# Altium PCB PCB1_1.pcbdoc (part 3 of 3)
Units mil, origin at the board's own origin, x right, y up, seen from the top; angles counter-clockwise.
Board outline 12887.67 x 6224.24 mil, 2 copper layers (Top Layer, Bottom Layer); 396 components, 233 nets, 925 pads, 502 vias.
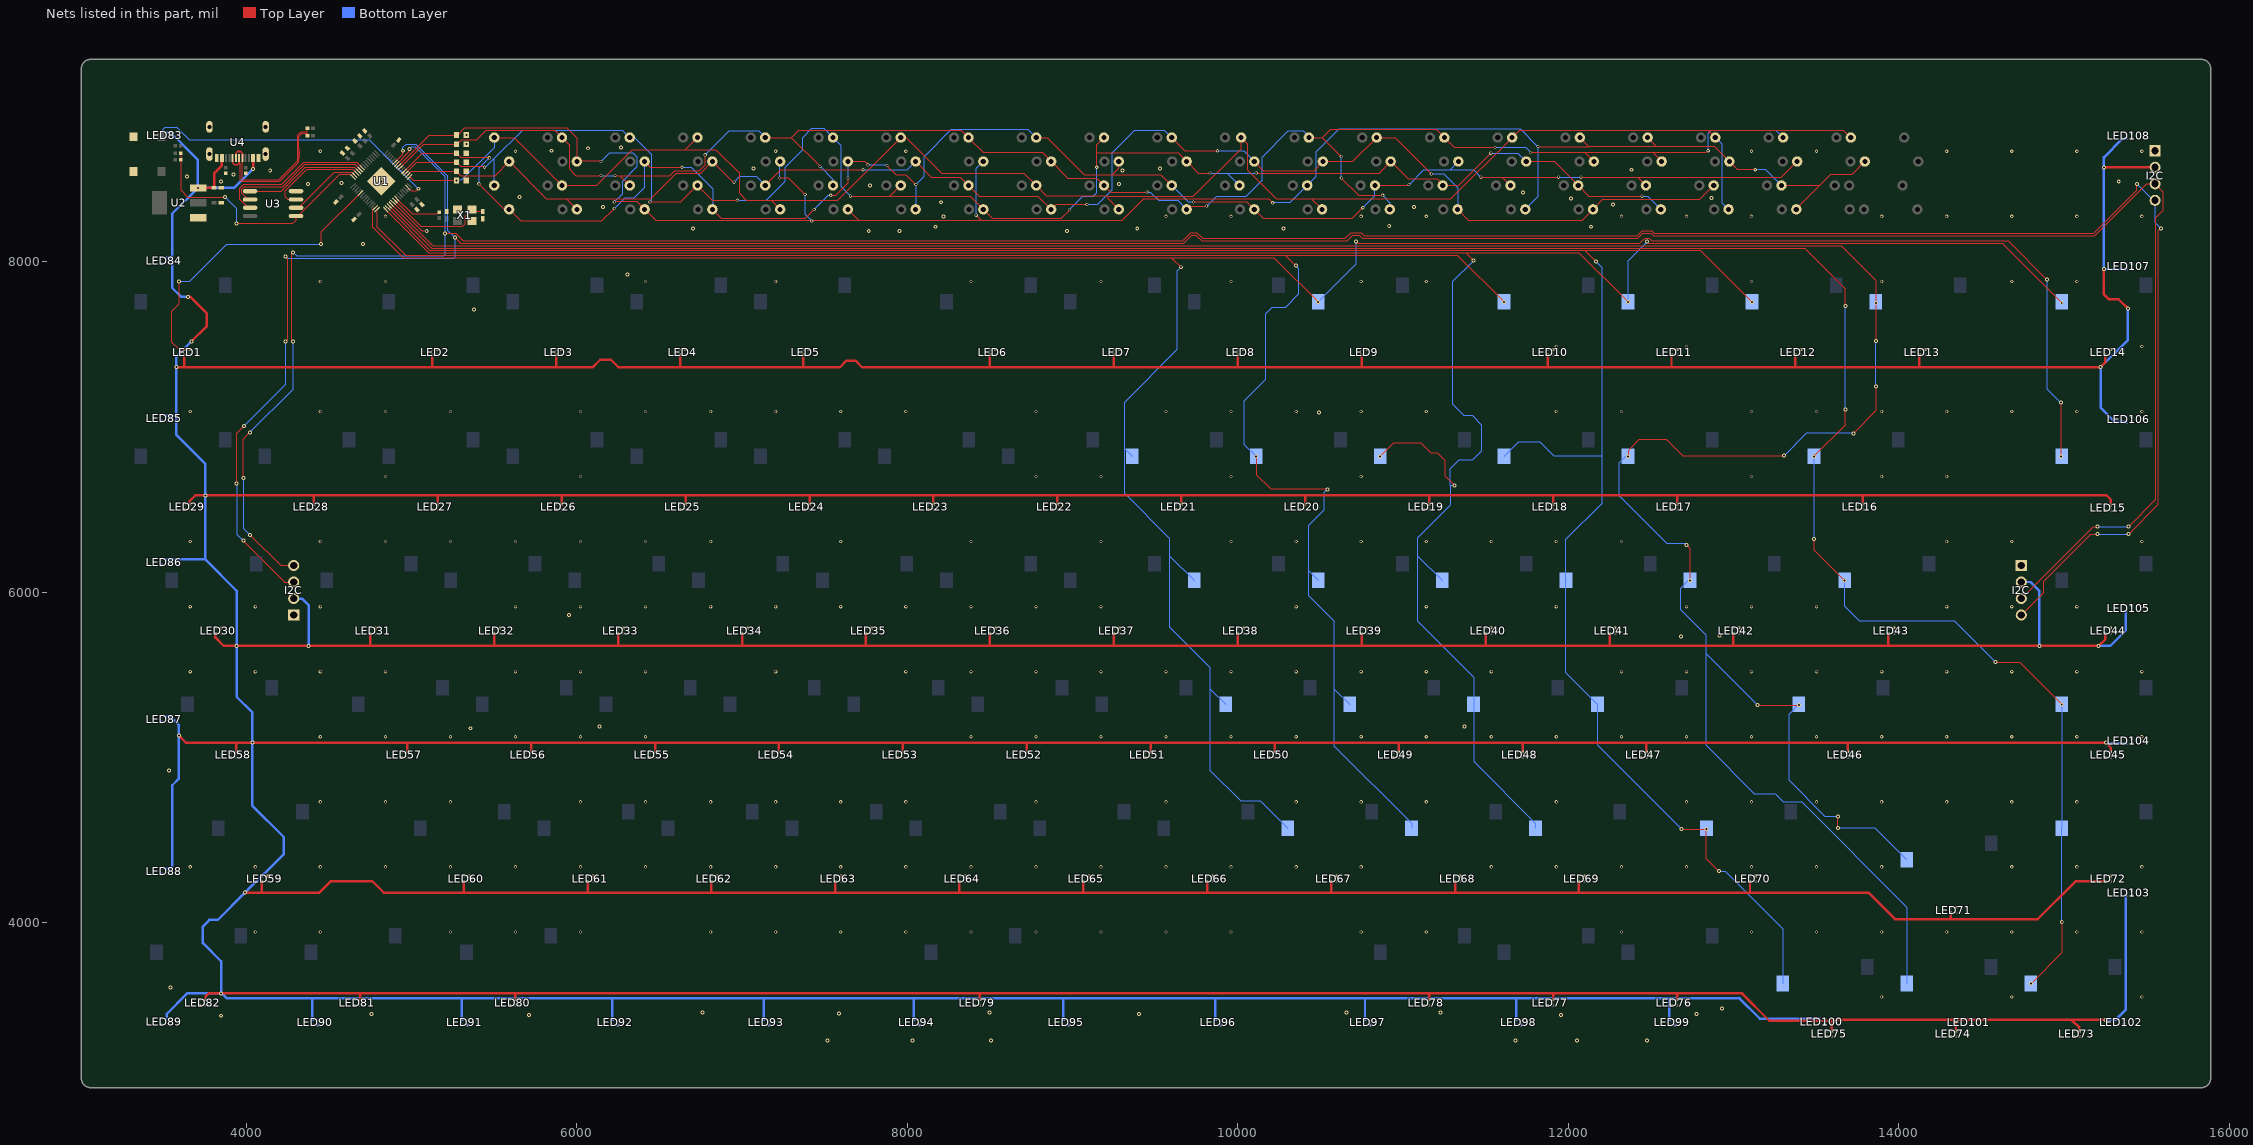
[diagram p3: the nets of this part, all layers, seen from the top]

## Via types
v1: diameter 19.68, hole 11.81, Top Layer to Bottom Layer, 300 vias
v2: diameter 24.02, hole 12.01, Top Layer to Bottom Layer, 202 vias

## Nets (pads, with @x,y where several pads share a name; then routed paths per layer and width w, separated by ;. In a path a pad name is that pad's centre, name@x,y a point inside that pad or via, vN(x,y) a via of type N, cw(c..) or ccw(c..) an arc to the next point about the centre after c; other vN are vias at no path point) (continued)
C9: SW10.1 SW23.1 SW37.1 SW50.1 SW64.1 SW78.1 U1.13 | length 16420.4
  Top Layer w5: U1.13@4778.32,8325.43 4760.9,8308.01 4760.9,8210.51 4950.9,8020.51 9600.91,8020.51 ; v2(9655.91,7965.51) 9600.91,8020.51 ; v2(10485.91,7755.51) 10220.91,8020.51 9600.91,8020.51 ; v2(10715.91,8120.51) 10725.91,8110.51 12430.91,8110.51 12461.41,8141.02 12490.4,8141.02 12505.91,8125.51 14660.91,8125.51 v2(14895.91,7890.51) ; v2(14980.91,6820.51) v2(14980.91,7145.51)
  Bottom Layer w5: SW23.1@9360.99,6820.51 9310.91,6870.59 ; v2(9655.91,7965.51) 9630.91,7940.51 9630.91,7465.51 9310.91,7145.51 9310.91,6870.59 ; SW37.1@9735.99,6070.51 9585.91,6220.59 ; SW50.1@9925.99,5320.51 9830.91,5415.59 ; SW64.1@10300.99,4570.51 10135.99,4735.51 10015.91,4735.51 9830.91,4920.51 9830.91,5415.59 ; v2(10485.91,7755.51) 10715.91,7985.51 v2(10715.91,8120.51) ; v2(14895.91,7890.51) 14895.91,7230.51 v2(14980.91,7145.51) ; v2(14980.91,6820.51) SW78.1@14985.99,6820.51 ; 9310.91,6870.59 9310.91,6600.51 9585.91,6325.51 9585.91,6220.59 ; 9585.91,6220.59 9585.91,5790.51 9830.91,5545.51 9830.91,5415.59
C10: SW11.1 SW24.1 SW38.1 SW51.1 SW65.1 U1.14 | length 11726.8
  Top Layer w5: U1.14@4789.46,8314.29 4789.46,8211.96 4965.9,8035.51 10290.91,8035.51 ; v2(10110.99,6820.51) 10110.99,6710.43 10200.91,6620.51 v2(10540.91,6620.51) ; v2(10350.91,7975.51) 10290.91,8035.51 ; v2(11610.91,7755.51) 11330.91,8035.51 10290.91,8035.51
  Bottom Layer w5: v2(10110.99,6820.51) 10035.91,6895.59 10035.91,7155.51 10165.91,7285.51 10165.91,7680.51 10205.91,7720.51 10285.91,7720.51 10365.91,7800.51 10365.91,7960.51 v2(10350.91,7975.51) ; SW38.1@10485.99,6070.51 10425.91,6130.59 ; v2(10540.91,6620.51) 10520.91,6600.51 10520.91,6495.51 10425.91,6400.51 10425.91,6130.59 ; SW51.1@10675.99,5320.51 10580.91,5415.59 ; SW65.1@11050.99,4570.51 11050.99,4600.43 10580.91,5070.51 10580.91,5415.59 ; 10425.91,6130.59 10425.91,5980.51 10580.91,5825.51 10580.91,5415.59
C11: SW12.1 SW25.1 SW39.1 SW52.1 SW66.1 SW79.1 U1.15 | length 15869.4
  Top Layer w5: U1.15@4842.36,8314.3 5106.15,8050.51 11380.91,8050.51 ; v2(10860.91,6820.51) 10940.91,6900.51 11110.91,6900.51 11170.91,6840.51 11210.91,6840.51 11255.91,6795.51 11255.91,6700.51 v2(11310.91,6645.51) ; v2(11425.91,8005.51) 11380.91,8050.51 ; v2(12360.91,7755.51) 12065.91,8050.51 11380.91,8050.51 ; v2(12475.91,8120.51) 12485.91,8110.51 14625.91,8110.51 v2(14985.91,7750.51)
  Bottom Layer w5: SW39.1@11235.99,6070.51 11085.91,6220.59 ; v2(11310.91,6645.51) 11285.91,6645.51 ; v2(11425.91,8005.51) 11300.91,7880.51 11300.91,7135.51 11370.91,7065.51 11420.91,7065.51 11475.91,7010.51 11475.91,6855.51 11420.91,6800.51 11340.91,6800.51 11285.91,6745.51 11285.91,6645.51 ; SW66.1@11800.99,4570.51 11800.99,4600.43 11425.99,4975.43 SW52.1@11425.99,5320.51 11425.99,5485.43 11085.91,5825.51 11085.91,6220.59 ; v2(12360.91,7755.51) 12360.91,8005.51 v2(12475.91,8120.51) ; v2(14985.91,7750.51) 14985.99,7750.59 SW79.1@14985.99,7755.51 ; 11085.91,6220.59 11085.91,6325.51 11285.91,6525.51 11285.91,6645.51
C12: SW13.1 SW26.1 SW40.1 SW53.1 SW67.1 SW82.1 U1.16 | length 14395.4
  Top Layer w5: U1.16@4853.49,8325.43 5113.41,8065.51 12100.91,8065.51 ; v2(12165.91,8000.51) 12100.91,8065.51 ; v2(12685.91,4565.51) v2(12835.91,4565.51) 12835.91,4385.51 v2(12910.91,4310.51) ; v2(13110.91,7755.51) 12800.91,8065.51 12100.91,8065.51
  Bottom Layer w5: SW26.1@11610.99,6820.51 11700.99,6910.51 11825.91,6910.51 11910.91,6825.51 12200.63,6825.51 12200.91,6825.79 ; SW40.1@11985.99,6070.51 SW40.1@11980.91,6075.59 ; v2(12165.91,8000.51) 12200.91,7965.51 12200.91,6825.79 ; v2(12685.91,4565.51) 12175.99,5075.43 SW53.1@12175.99,5320.51 11980.91,5515.59 SW40.1@11980.91,6075.59 ; v2(12835.91,4565.51) 12835.99,4565.59 SW67.1@12835.99,4570.51 ; v2(12910.91,4310.51) 12950.91,4310.51 13298.29,3963.12 SW82.1@13298.29,3630.51 SW82.1@13300.91,3630.51 ; SW40.1@11980.91,6075.59 11980.91,6315.51 12200.91,6535.51 12200.91,6825.79
C13: SW14.1 SW27.1 SW41.1 SW54.1 SW68.1 SW80.1 U1.18 | length 18021.2
  Top Layer w5: U1.18@4875.76,8347.7 5127.95,8095.51 13650.91,8095.51 13860.91,7885.51 v2(13860.91,7750.51) v2(13860.91,7520.5) ; v2(12360.91,6820.51) 12360.91,6855.51 12425.91,6920.51 12595.91,6920.51 12695.91,6820.51 13300.91,6820.51 v2(13305.91,6825.51) ; v2(12715.91,6285.51) 12735.91,6265.51 v2(12735.91,6070.51) ; v2(13145.91,5315.51) v2(13395.91,5315.51) ; v2(13630.91,4570.51) v2(13630.91,4640.51) ; v2(13725.91,6960.51) 13860.91,7095.51 v2(13860.91,7243.79)
  Bottom Layer w5: v2(12360.91,6820.51) 12345.91,6820.51 12305.91,6780.51 12305.91,6585.51 12595.91,6295.51 12705.91,6295.51 v2(12715.91,6285.51) ; v2(12735.91,6070.51) 12725.91,6070.51 12675.91,6020.51 12675.91,5895.51 12830.91,5740.51 12830.91,5630.51 ; v2(13145.91,5315.51) 12830.91,5630.51 ; v2(13305.91,6825.51) 13440.91,6960.51 v2(13725.91,6960.51) ; v2(13395.91,5315.51) 13395.91,5318.38 SW54.1@13394.51,5319.77 13335.91,5261.17 13335.91,4860.51 13555.91,4640.51 v2(13630.91,4640.51) ; v2(13630.91,4570.51) 13858.55,4570.51 SW68.1@14048.55,4380.51 ; v2(13860.91,7243.79) v2(13860.91,7520.5) ; SW80.1@14048.38,3630.51 14048.38,4093.04 13410.91,4730.51 13300.91,4730.51 13250.91,4780.51 13125.91,4780.51 12830.91,5075.51 12830.91,5630.51
C14: SW28.1 SW42.1 SW55.1 SW69.1 SW81.1 U1.17 | length 14427.5
  Top Layer w5: U1.17@4864.62,8336.57 5120.68,8080.51 13430.91,8080.51 13675.91,7835.51 v2(13675.91,7731.33) ; v2(13485.91,6320.83) 13485.91,6255.51 v2(13670.91,6070.51) ; v2(13485.91,6820.51) 13675.91,7010.51 v2(13675.91,7104.84) ; v2(14585.91,5575.51) 14730.91,5575.51 v2(14985.91,5320.51) ; v2(14800.91,3630.51) 14985.99,3815.59 v2(14985.99,4001.85)
  Bottom Layer w5: v2(13485.91,6320.83) 13485.99,6320.91 SW28.1@13485.99,6820.51 SW28.1@13485.91,6820.43 ; SW42.1@13673.19,6070.08 13672.76,6070.51 v2(13670.91,6070.51) 13670.91,5915.51 13760.91,5825.51 14335.91,5825.51 v2(14585.91,5575.51) ; v2(13675.91,7104.84) v2(13675.91,7731.33) ; SW81.1@14798.29,3630.51 v2(14800.91,3630.51) ; v2(14985.99,4001.85) SW69.1@14985.99,4570.51 SW55.1@14985.99,5320.51
DINPKRGB: LED1.4 U1.5 | length 1844.3
  Top Layer w5: v2(3590.91,7880.51) 3590.91,7740.51 3545.91,7695.51 3545.91,7515.51 3595.91,7465.51 3622.45,7465.51 LED1.4@3624.18,7467.24 ; v2(4450.9,8105.51) 4450.9,8176.19 U1.5@4689.23,8414.52
  Bottom Layer w5: v2(3590.91,7880.51) 3655.91,7880.51 3880.91,8105.51 v2(4450.9,8105.51)
DINUGRGB: LED83.4 U1.27 | length 1802.4
  Top Layer w5: U1.27@4975.98,8447.92 4996.57,8427.33 5027.72,8427.33 v2(5040.9,8440.51)
  Bottom Layer w5: LED83.4@3489.18,8782.24 3489.18,8793.78 3505.91,8810.51 3580.91,8810.51 3655.91,8735.51 4745.9,8735.51 v2(5040.9,8440.51)
DN: R14.2 U4.A7 U4.B7 | length 864
  Top Layer w5: U4.B7@3975.44,8626.02 3975.44,8599.11 3971.08,8594.76 3971.08,8499.86 3975.44,8495.51 4195.9,8495.51 4305.9,8605.51 4305.9,8761.04 4331.36,8786.49 4367.1,8786.49 4368.86,8788.26 R14.2@4368.86,8805.51
  Top Layer w10: U4.A7@3936.07,8626.02 3936.07,8655.67 3945.91,8665.51 3966.04,8665.51 3975.91,8655.65 U4.B7@3975.91,8626.49
DP: R13.2 U4.A6 U4.B6 | length 866.3
  Top Layer w5: 3955.75,8599.11 3960.1,8594.76 3960.1,8495.31 3970.89,8484.53 4200.45,8484.53 4316.89,8600.96 4316.89,8626.65 cw(c4318.9,8626.65) 4318.9,8628.66 ccw(c4318.9,8630.67) 4320.91,8630.67 4320.9,8636.65 ccw(c4318.9,8636.65) 4318.9,8638.66 cw(c4318.9,8640.67) 4316.89,8640.67 4316.89,8646.65 cw(c4318.9,8646.65) 4318.9,8648.66 ccw(c4318.9,8650.67) 4320.91,8650.67 4320.9,8656.65 ccw(c4318.9,8656.65) 4318.9,8658.66 cw(c4318.9,8660.67) 4316.89,8660.67 4316.89,8666.65 cw(c4318.9,8666.65) 4318.9,8668.66 ccw(c4318.9,8670.67) 4320.91,8670.67 4320.9,8676.65 ccw(c4318.9,8676.65) 4318.9,8678.66 cw(c4318.9,8680.67) 4316.89,8680.67 4316.89,8756.49 4335.9,8775.51 4367.1,8775.51 4368.86,8773.74 R13.2@4368.86,8760.51
  Top Layer w10: U4.B6@3916.38,8626.02 3916.38,8596.61 3927.48,8585.51 3945.91,8585.51 3955.75,8595.35 3955.75,8599.11 U4.A6@3955.75,8626.02
GND: BOOTSEL.1 C16.2 C17.1 C18.2 C19.2 C20.1 C21.1 C22.1 C23.1 C25.1 C26.1 C27.1 C28.1 C31.1 C32.1 I2C.1 LED1.3 LED2.3 LED3.3 LED4.3 LED5.3 LED6.3 LED7.3 LED8.3 LED9.3 LED10.3 LED11.3 LED12.3 LED13.3 LED14.3 LED15.3 LED16.3 LED17.3 LED18.3 LED19.3 LED20.3 LED21.3 LED22.3 LED23.3 LED24.3 LED25.3 LED26.3 LED27.3 LED28.3 LED29.3 LED30.3 LED31.3 LED32.3 LED33.3 LED34.3 LED35.3 LED36.3 LED37.3 LED38.3 LED39.3 LED40.3 LED41.3 LED42.3 LED43.3 LED44.3 LED45.3 LED46.3 LED47.3 LED48.3 LED49.3 LED50.3 LED51.3 LED52.3 LED53.3 LED54.3 LED55.3 LED56.3 LED57.3 LED58.3 LED59.3 LED60.3 LED61.3 LED62.3 LED63.3 LED64.3 LED65.3 LED66.3 LED67.3 LED68.3 LED69.3 LED70.3 LED71.3 LED72.3 LED73.3 LED74.3 LED75.3 LED76.3 LED77.3 LED78.3 LED79.3 LED80.3 LED81.3 LED82.3 LED83.3 LED84.3 LED85.3 LED86.3 LED87.3 LED88.3 LED89.3 LED90.3 LED91.3 LED92.3 LED93.3 LED94.3 LED95.3 LED96.3 LED97.3 LED98.3 LED99.3 LED100.3 LED101.3 LED102.3 LED103.3 LED104.3 LED105.3 LED106.3 LED107.3 LED108.3 R6.1 R8.1 R9.1 R10.1 R11.1 R12.1 R21.1 R22.1 RST.1 U1.19 U1.57 U2.1 U3.4 U4.1 U4.2 U4.3 U4.4 U4.A1B12 U4.B1A12 X1.2 X1.4 | length 275.8
  Top Layer w5: U1.19@4886.9,8358.84 5060.23,8185.51 v2(5090.9,8185.51)
  other v1: 13895.83,3549.21 14683.23,3549.21 15470.63,3549.21 4053.31,3942.91 4447.01,3942.91 5234.41,3942.91 5628.11,3942.91 6021.81,3942.91 6809.21,3942.91 7202.91,3942.91 7596.61,3942.91 7990.31,3942.91 8384.02,3942.91 8777.72,3942.91 9171.42,3942.91 9565.12,3942.91 9958.82,3942.91 10746.22,3942.91 11139.92,3942.91 12321.02,3942.91 13108.42,3942.91 13502.13,3942.91 13895.83,3942.91 14289.53,3942.91 14683.23,3942.91 15076.93,3942.91 15470.63,3942.91 3659.61,4336.61 4053.31,4336.61 4447.01,4336.61 4840.71,4336.61 5234.41,4336.61 5628.11,4336.61 6021.81,4336.61 6415.51,4336.61 6809.21,4336.61 7202.91,4336.61 7596.61,4336.61 7990.31,4336.61 8384.02,4336.61 8777.72,4336.61 9171.42,4336.61 9565.12,4336.61 9958.82,4336.61 10352.52,4336.61 10746.22,4336.61 11533.62,4336.61 11927.32,4336.61 12321.02,4336.61 12714.72,4336.61 13108.42,4336.61 13502.13,4336.61 13895.83,4336.61 14683.23,4336.61 15076.93,4336.61 15470.63,4336.61 4447.01,4730.31 4840.71,4730.31 5234.41,4730.31 6021.81,4730.31 6415.51,4730.31 6809.21,4730.31 7202.91,4730.31 7596.61,4730.31 7990.31,4730.31 8777.72,4730.31 9565.12,4730.31 10352.52,4730.31 10746.22,4730.31 11139.92,4730.31 11927.32,4730.31 12714.72,4730.31 13108.42,4730.31 13502.13,4730.31 13895.83,4730.31 14289.53,4730.31 14683.23,4730.31 15076.93,4730.31 4447.01,5124.01 4840.71,5124.01 5234.41,5124.01 5628.11,5124.01 6021.81,5124.01 6415.51,5124.01 8384.02,5124.01 8777.72,5124.01 9171.42,5124.01 9565.12,5124.01 9958.82,5124.01 10352.52,5124.01 10746.22,5124.01 11139.92,5124.01 11533.62,5124.01 11927.32,5124.01 12321.02,5124.01 12714.72,5124.01 13108.42,5124.01 13502.13,5124.01 13895.83,5124.01 14289.53,5124.01 14683.23,5124.01 15076.93,5124.01 15470.63,5124.01 3659.61,5517.71 4053.31,5517.71 4447.01,5517.71 4840.71,5517.71 5628.11,5517.71 6021.81,5517.71 6415.51,5517.71 7202.91,5517.71 7990.31,5517.71 8384.02,5517.71 8777.72,5517.71 9171.42,5517.71 9565.12,5517.71 9958.82,5517.71 10352.52,5517.71 10746.22,5517.71 11139.92,5517.71 11533.62,5517.71 12321.02,5517.71 12714.72,5517.71 13108.42,5517.71 13502.13,5517.71 13895.83,5517.71 14289.53,5517.71 14683.23,5517.71 15076.93,5517.71 15470.63,5517.71 3659.61,5911.42 4053.31,5911.42 4447.01,5911.42 5628.11,5911.42 6021.81,5911.42 6415.51,5911.42 6809.21,5911.42 7202.91,5911.42 7596.61,5911.42 7990.31,5911.42 8384.02,5911.42 8777.72,5911.42 9171.42,5911.42 10352.52,5911.42 11139.92,5911.42 11927.32,5911.42 12714.72,5911.42 13108.42,5911.42 13502.13,5911.42 14289.53,5911.42 14683.23,5911.42 15076.93,5911.42 15470.63,5911.42 3659.61,6305.12 4447.01,6305.12 4840.71,6305.12 5234.41,6305.12 5628.11,6305.12 6021.81,6305.12 6415.51,6305.12 6809.21,6305.12 7596.61,6305.12 8384.02,6305.12 9171.42,6305.12 9958.82,6305.12 10352.52,6305.12 10746.22,6305.12 11139.92,6305.12 11533.62,6305.12 11927.32,6305.12 12321.02,6305.12 14289.53,6305.12 14683.23,6305.12 15470.63,6305.12 4840.71,6698.82 6021.81,6698.82 8777.72,6698.82 9171.42,6698.82 9958.82,6698.82 10746.22,6698.82 13108.42,6698.82 13895.83,6698.82 14289.53,6698.82 3659.61,7092.52 4447.01,7092.52 4840.71,7092.52 5234.41,7092.52 6021.81,7092.52 6415.51,7092.52 6809.21,7092.52 7202.91,7092.52 7596.61,7092.52 7990.31,7092.52 8777.72,7092.52 9565.12,7092.52 9958.82,7092.52 10352.52,7092.52 10746.22,7092.52 11139.92,7092.52 11927.32,7092.52 12321.02,7092.52 13108.42,7092.52 13502.13,7092.52 13895.83,7092.52 14289.53,7092.52 14683.23,7092.52 15076.93,7092.52 15470.63,7092.52 11927.32,7486.22 12714.72,7486.22 15470.63,7486.22 4447.01,7879.92 4840.71,7879.92 6415.51,7879.92 7202.91,7879.92 8384.02,7879.92 9171.42,7879.92 9958.82,7879.92 10746.22,7879.92 11139.92,7879.92 13108.42,7879.92 13895.83,7879.92 14683.23,7879.92 15076.93,7879.92 4840.71,8273.62 9565.12,8273.62 9958.82,8273.62 10746.22,8273.62 11139.92,8273.62 12321.02,8273.62 12714.72,8273.62 13108.42,8273.62 13895.83,8273.62 14289.53,8273.62 14683.23,8273.62 15076.93,8273.62 15470.63,8273.62 4447.01,8667.32 5628.11,8667.32 7202.91,8667.32 7990.31,8667.32 13108.42,8667.32 13502.13,8667.32 14289.53,8667.32 14683.23,8667.32 15076.93,8667.32 15470.63,8667.32
  other v2: 7515.9,3285.51 8030.9,3285.51 8505.91,3285.51 11680.91,3285.51 12050.91,3285.51 12475.91,3285.51 3845.91,3435.51 5710.9,3440.51 11955.91,3440.51 4755.9,3445.51 9400.91,3445.51 12775.91,3445.51 7585.9,3450.51 6760.9,3455.51 8495.91,3455.51 10658.16,3455.51 11225.91,3455.51 12930.91,3480.51 3540.91,3605.51 3530.91,4920.51 5355.9,5175.51 6135.9,5185.51 11372.4,5185.51 12680.91,5730.51 12914.37,5735.51 5950.9,5860.51 10490.91,7085.51 5375.9,7710.51 6305.9,7920.51 4705.9,8105.51 7765.9,8185.51 7950.9,8185.51 8965.91,8185.51 6700.9,8200.51 9390.91,8200.51 10275.91,8200.51 8170.9,8210.51 12135.91,8210.51 10915.91,8215.51 8219.15,8272.2 6156.51,8330.51 11065.91,8330.51 12270.91,8345.51 8203.02,8358.82 12015.91,8380.51 12865.91,8385.51 5650.9,8390.51 11724.29,8417.2 7773.11,8460.51 4370.9,8470.51 9280.91,8470.51 4575.9,8475.51 3845.91,8485.51 4815.9,8485.51 15330.91,8485.51 3640.91,8515.51 3920.91,8525.51 4143.75,8550.51 9300.91,8550.51 12380.91,8555.51 7067.52,8562.2 9527.52,8562.2 5845.9,8670.51 6065.9,8685.51 6265.9,8690.51 5332.4,8710.51 5332.4,8765.51
QSPI_SCLK: U1.52 U3.6 | length 882
  Top Layer w5: U3.6@4021.93,8375.51 4010.48,8375.51 3969.13,8416.85 3969.13,8434.17 3985.48,8450.51 4215.9,8450.51 4350.9,8585.51 4660.23,8585.51 U1.52@4689.24,8556.5
QSPI_SD0: U1.53 U3.5 | length 726.7
  Top Layer w5: U3.5@4021.93,8425.51 4210.9,8425.51 4355.9,8570.51 4652.95,8570.51 U1.53@4678.1,8545.36
QSPI_SD1: U1.55 U3.2 | length 452.2
  Top Layer w5: U3.2@4299.89,8325.51 4315.9,8325.51 4530.9,8540.51 4638.41,8540.51 U1.55@4655.83,8523.09
QSPI_SD2: U1.54 U3.3 | length 606
  Top Layer w5: U3.3@4299.89,8375.51 4250.9,8375.51 4230.9,8395.51 4230.9,8425.51 4360.9,8555.51 4645.68,8555.51 U1.54@4666.97,8534.22
QSPI_SD3: U1.51 U3.7 | length 971.6
  Top Layer w5: U3.7@4021.93,8325.51 4010.48,8325.51 3955.91,8380.08 3955.91,8440.51 3980.91,8465.51 4210.9,8465.51 4343.72,8598.32 4669.69,8598.32 U1.51@4700.38,8567.63
QSPI_SS: R16.2 R17.1 U1.56 U3.1 | length 1544.5
  Top Layer w5: R16.2@3602.95,8655.51 R17.1@3602.95,8615.51 3602.95,8433.47 3645.91,8390.51 v2(3870.91,8390.51) ; v2(3940.91,8230.51) 4280.9,8230.51 4300.9,8250.51 4300.9,8274.49 U3.1@4299.89,8275.51 4311.33,8275.51 4561.33,8525.51 4631.15,8525.51 U1.56@4644.7,8511.96
  Bottom Layer w5: v2(3870.91,8390.51) 3940.91,8320.51 v2(3940.91,8230.51)
R1: D1.1 D7.1 D13.1 D20.1 D25.1 D35.1 D40.1 D45.1 D52.1 D61.1 D73.1 D76.1 D81.1 R6.2 U1.29 | length 11122.8
  Top Layer w5: U1.29@4987.12,8511.96 5008.57,8490.51 v1(5270.9,8490.51) R6.2@5271.24,8490.51 ; D1.1@5499.49,8750.51 5619.48,8750.51 D7.1@5909.49,8460.51 6120.76,8460.51 6335.76,8675.51 6654.48,8675.51 ; D13.1@6729.49,8750.51 6654.48,8675.51 ; D20.1@7229.49,8315.51 7174.48,8370.51 ; D40.1@9279.49,8315.51 9214.49,8380.51 9214.49,8395.51 ; D52.1@10509.49,8315.51 10444.49,8380.51 ; D73.1@12889.49,8750.51 12844.49,8795.51 ; D81.1@13709.49,8750.51 13664.49,8795.51 12844.49,8795.51 ; 6654.48,8675.51 6841.27,8675.51 6980.9,8535.88 6980.9,8415.51 7025.9,8370.51 7174.48,8370.51 ; 7174.48,8370.51 7579.48,8370.51 D25.1@7959.49,8750.51 7993.48,8750.51 8208.48,8535.51 8704.49,8535.51 D35.1@8779.49,8460.51 8844.49,8395.51 9214.49,8395.51 ; 9214.49,8395.51 9730.91,8395.51 10019.48,8684.09 D45.1@10019.49,8750.51 10055.91,8714.09 10055.91,8555.51 10230.91,8380.51 10444.49,8380.51 ; 10444.49,8380.51 11289.48,8380.51 D61.1@11659.49,8750.51 11704.48,8795.51 12844.49,8795.51
  Bottom Layer w5: v1(5270.9,8490.51) 5300.9,8490.51 5499.48,8689.09 D1.1@5499.49,8750.51 ; D73.1@12889.49,8750.51 12930.91,8709.09 12930.91,8354.09 D76.1@12969.49,8315.51
R2: D2.1 D8.1 D14.1 D19.1 D26.1 D31.1 D36.1 D41.1 D46.1 D50.1 D53.1 D60.1 D68.1 D75.1 R8.2 U1.30 | length 9396.5
  Top Layer w5: U1.30@4975.99,8523.09 4998.4,8545.51 R8.2@5271.24,8545.51 ; R8.2@5271.13,8544.9 5298.74,8517.29 5501.27,8517.29 D2.1@5589.49,8605.51 5814.48,8380.51 5934.48,8380.51 ; D8.1@5999.49,8315.51 5934.48,8380.51 ; v1(6950.9,8480.51) 6944.48,8480.51 D14.1@6819.49,8605.51 6749.48,8535.51 6600.9,8535.51 6445.9,8380.51 5934.48,8380.51 ; D19.1@7139.49,8460.51 7234.48,8555.51 v1(7730.9,8555.51) ; D26.1@8049.49,8605.51 8144.48,8510.51 8319.49,8510.51 D31.1@8369.49,8460.51 8434.49,8395.51 8789.49,8395.51 D36.1@8869.49,8315.51 8899.48,8345.51 v1(9085.91,8345.51) ; D41.1@9599.49,8750.51 9679.49,8670.51 v1(9875.91,8670.51) ; D46.1@10099.49,8605.51 10154.49,8550.51 10460.91,8550.51 10514.48,8604.09 D50.1@10514.49,8605.51 10694.48,8605.51 D53.1@10839.49,8750.51 10950.9,8750.51 v1(11170.91,8530.51) ; D60.1@11329.49,8315.51 11394.49,8250.51 12084.48,8250.51 D68.1@12149.49,8315.51 12209.48,8375.51 12794.48,8375.51 D75.1@12879.49,8460.51
  Bottom Layer w5: v1(6950.9,8480.51) 6985.9,8515.51 7084.48,8515.51 D19.1@7139.49,8460.51 ; v1(7730.9,8555.51) 7999.48,8555.51 D26.1@8049.49,8605.51 ; v1(9085.91,8345.51) 9150.91,8345.51 9235.91,8430.51 9235.91,8655.51 9375.91,8795.51 9554.49,8795.51 D41.1@9599.49,8750.51 ; v1(9875.91,8670.51) 10034.49,8670.51 D46.1@10099.49,8605.51 ; v1(11170.91,8530.51) 11245.91,8530.51 11330.91,8445.51 11330.91,8316.93 D60.1@11329.49,8315.51
R3: D3.1 D9.1 D15.1 D21.1 D27.1 D32.1 D37.1 D42.1 D47.1 D54.1 D59.1 D62.1 D67.1 D72.1 R9.2 U1.31 | length 9960.6
  Top Layer w5: U1.31@4964.85,8534.23 5031.13,8600.51 R9.2@5271.24,8600.51 ; R9.2@5272.57,8599.16 5299.22,8572.51 5438.91,8572.51 v1(5440.9,8570.51) ; v1(6440.9,8360.51) 6629.48,8360.51 D15.1@6729.49,8460.51 6819.48,8370.51 v1(6970.9,8370.51) ; v1(7655.9,8395.51) 7894.48,8395.51 ; D27.1@7959.49,8460.51 7894.48,8395.51 ; v1(8980.91,8315.51) 8980.91,8310.51 8930.91,8260.51 8514.49,8260.51 D32.1@8459.49,8315.51 8379.49,8395.51 7894.48,8395.51 ; v1(9145.91,8570.51) 9145.91,8657.22 ; D37.1@9189.49,8750.51 9145.91,8706.93 9145.91,8657.22 ; v1(9830.91,8535.51) 9759.49,8535.51 D42.1@9689.49,8605.51 9637.78,8657.22 9145.91,8657.22 ; v1(10110.91,8535.51) 10854.48,8535.51 D54.1@10924.49,8605.51 11029.49,8500.51 11205.91,8500.51 11239.48,8466.93 D59.1@11239.49,8460.51 11335.91,8460.51 v1(11530.91,8655.51) ; D62.1@11744.49,8605.51 11914.48,8605.51 D67.1@12059.49,8460.51 12124.49,8395.51 v1(12445.91,8395.51)